# Altium PCB HYDRA_V3_NAV.PcbDoc (part 1 of 2)
Units mm, origin at the board's own origin, x right, y up, seen from the top; angles counter-clockwise.
Board outline 50.1 x 45.1 mm, 4 copper layers (TOP SIG, PWR + INT SIG, GND, BOTTOM SIG), stack 1.586 mm thick; 171 components, 128 nets, 697 pads, 193 vias.
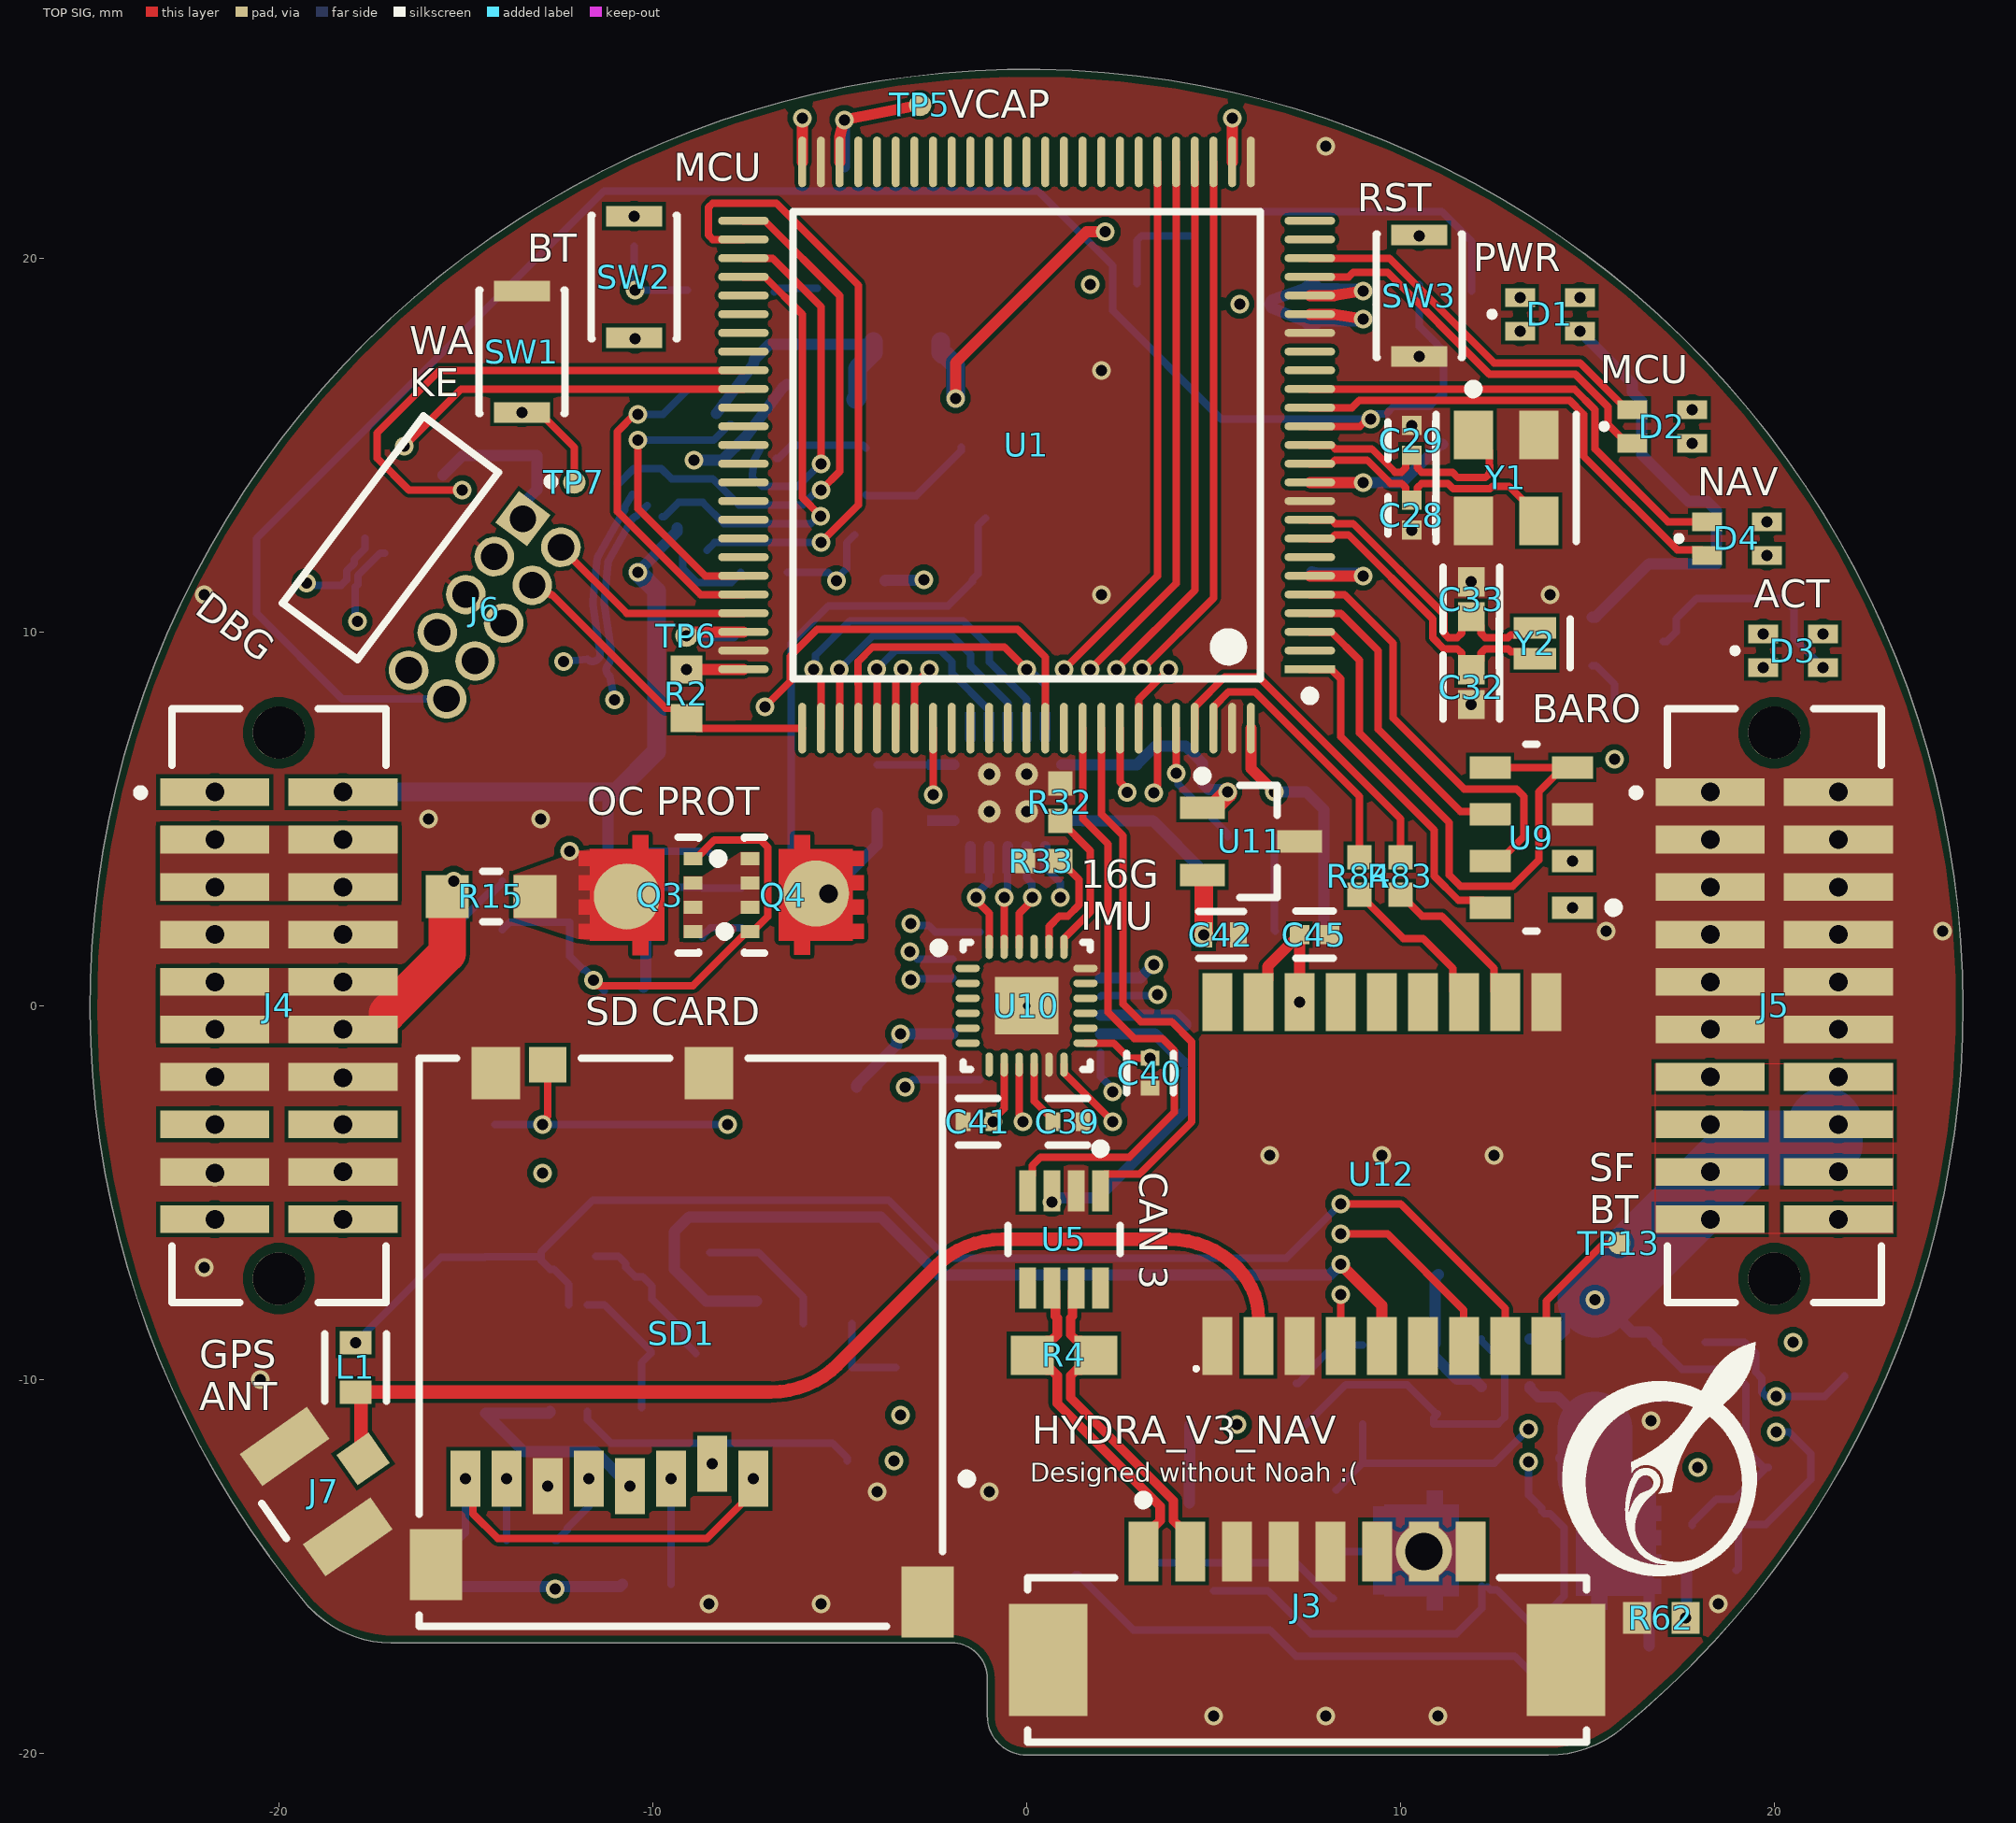
[diagram p0: TOP SIG view]
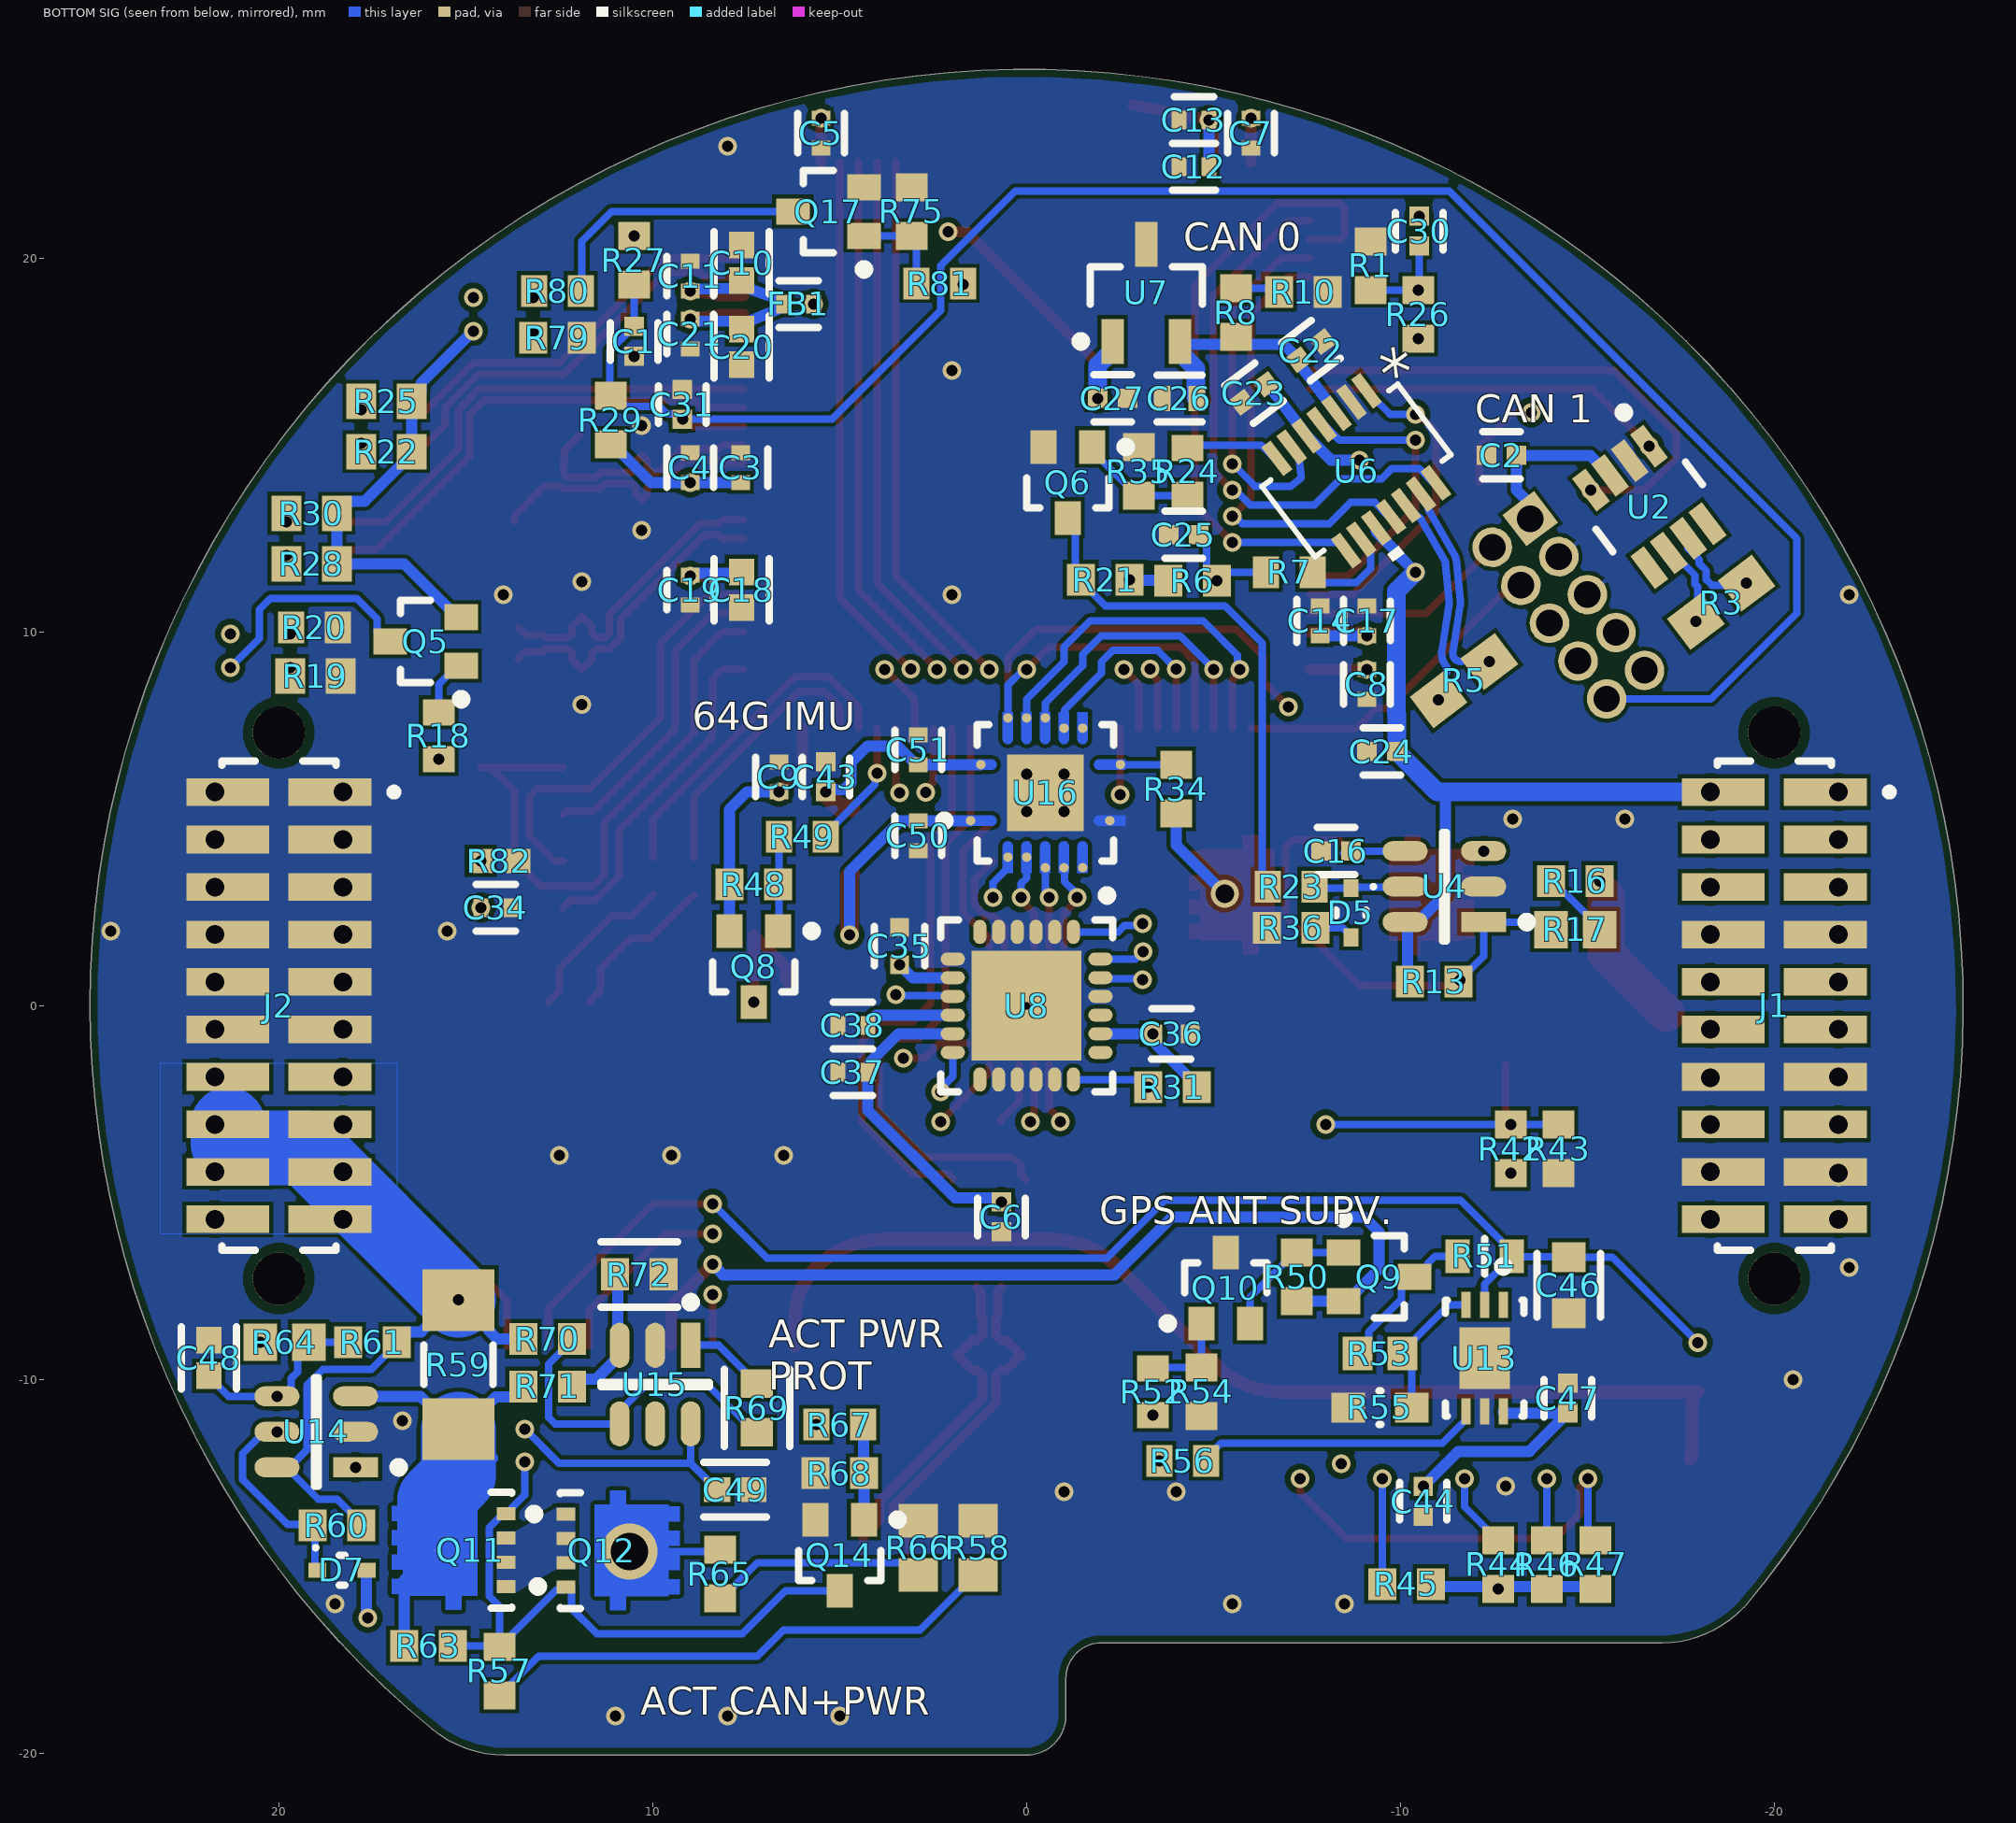
[diagram p1: BOTTOM SIG view, seen from below]
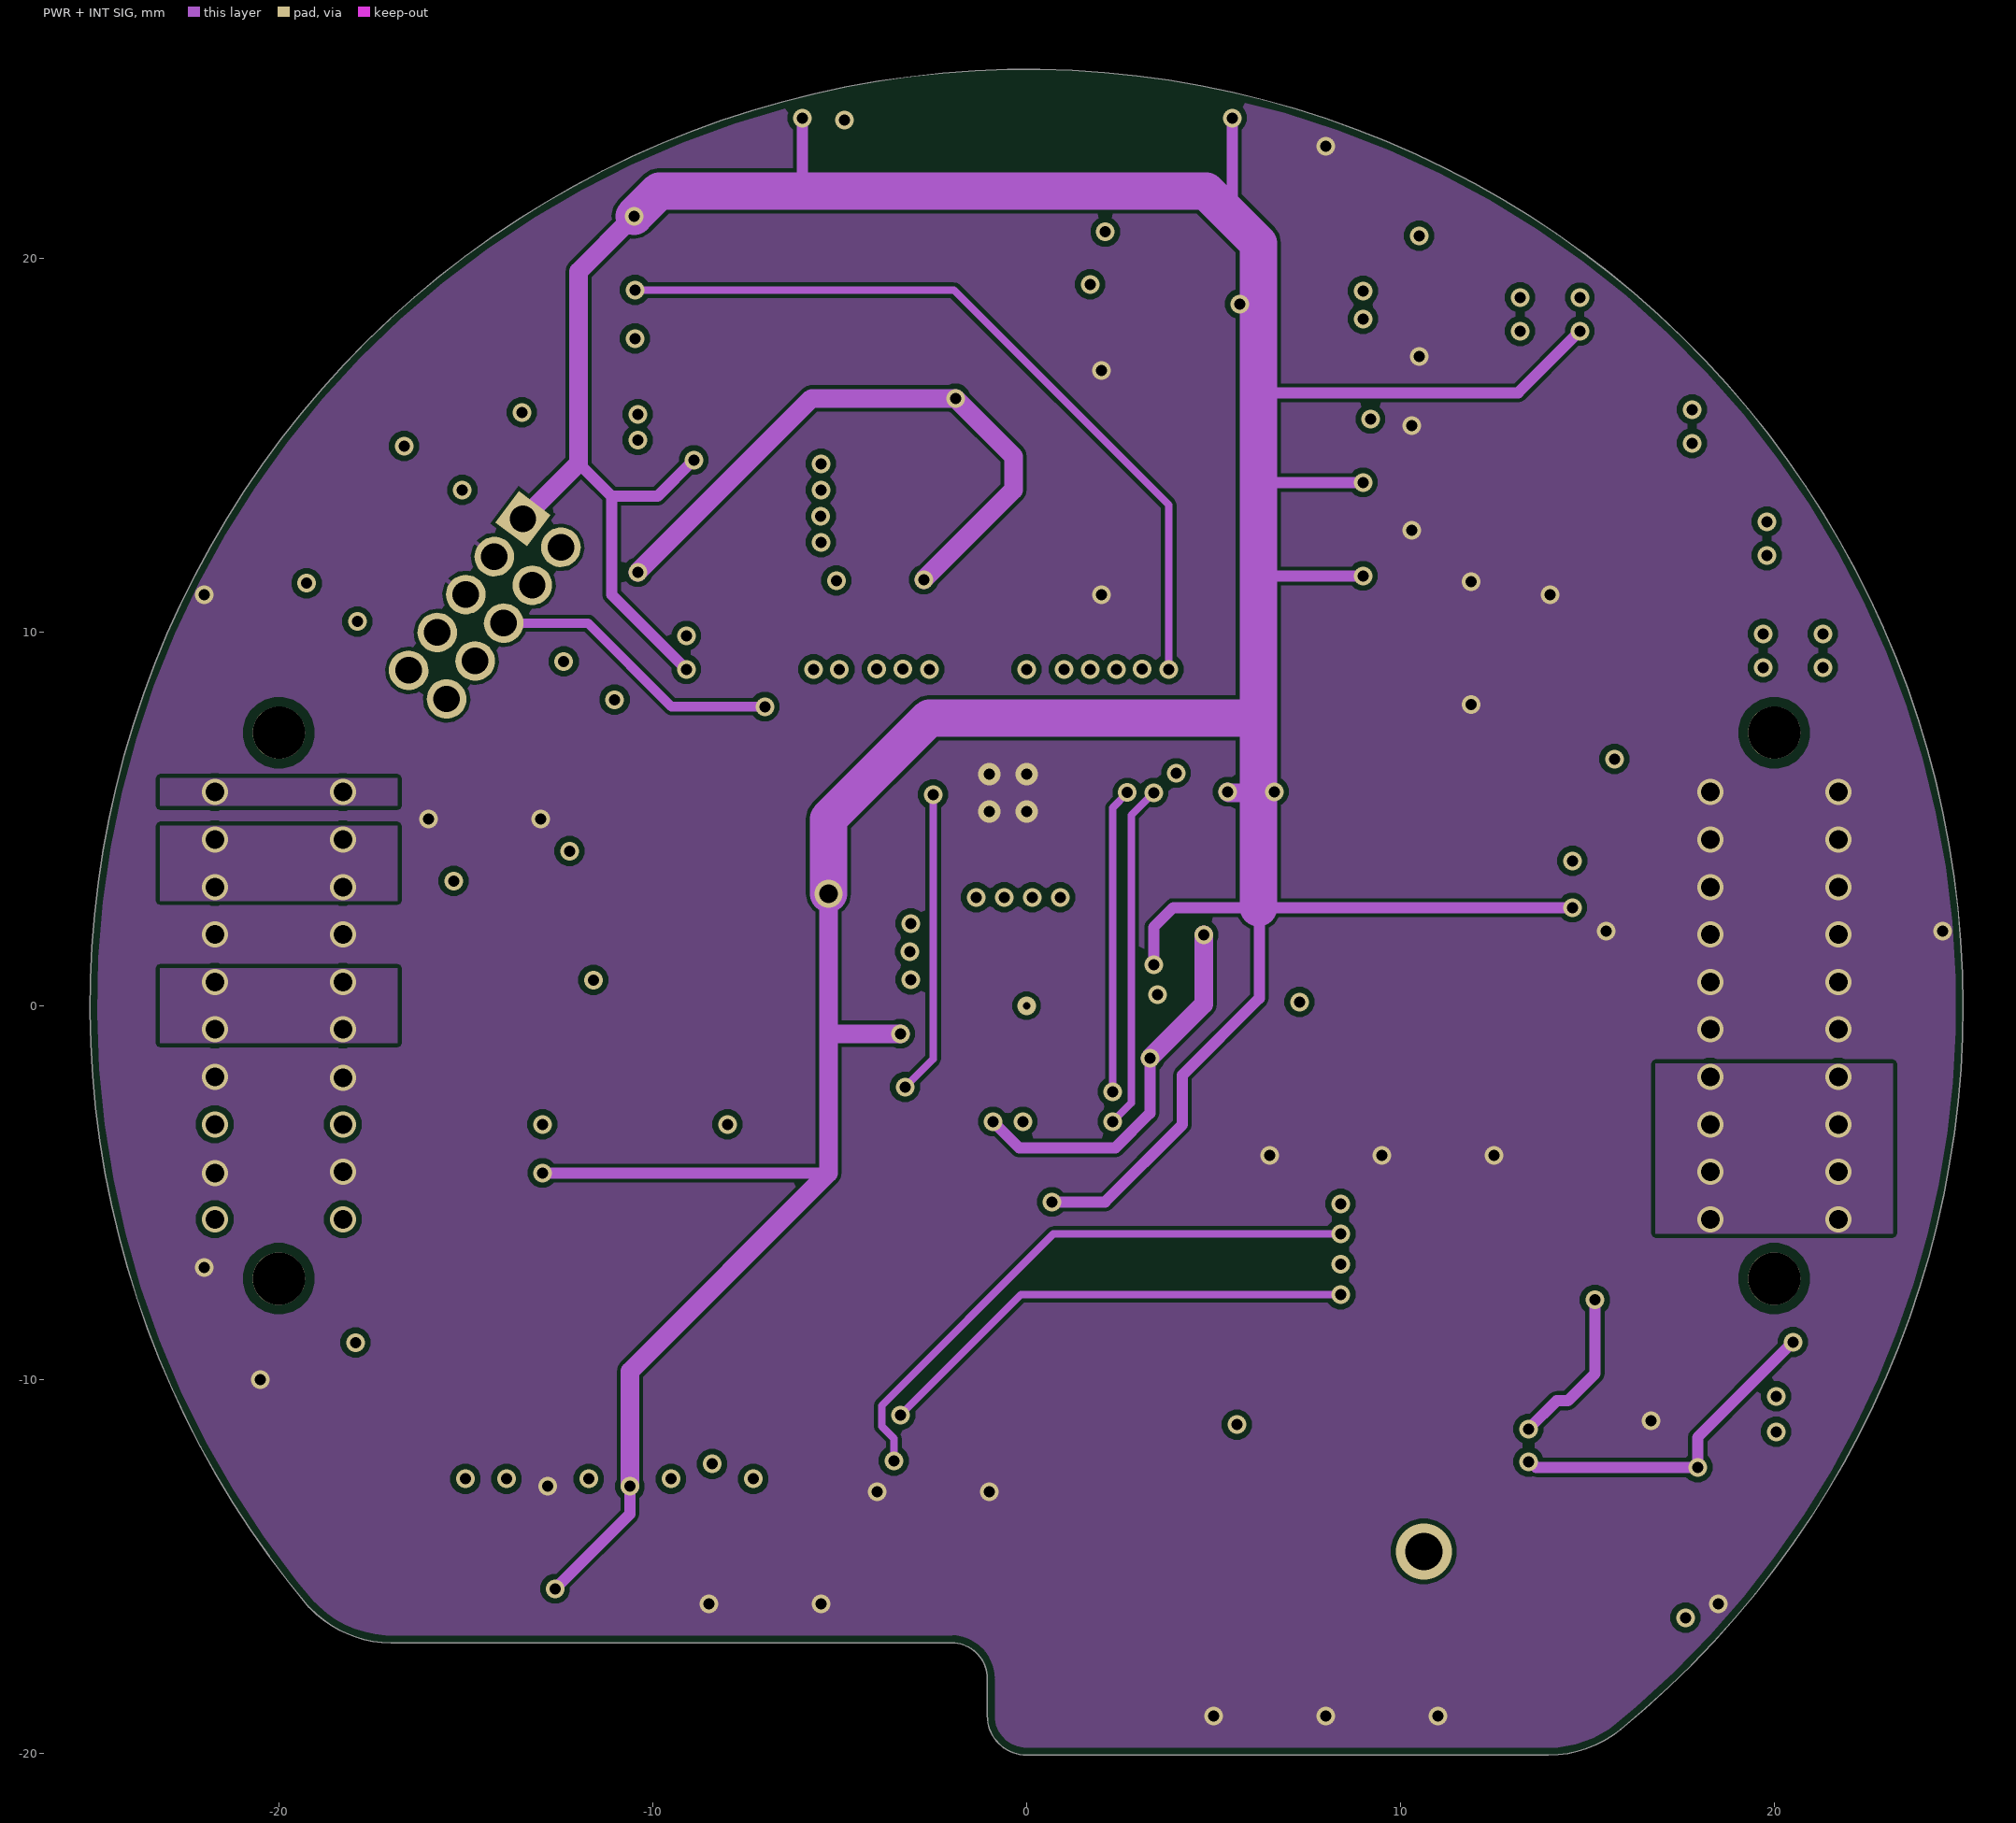
[diagram p2: PWR + INT SIG]